# KiCad board pcb.kicad_pcb (continued)
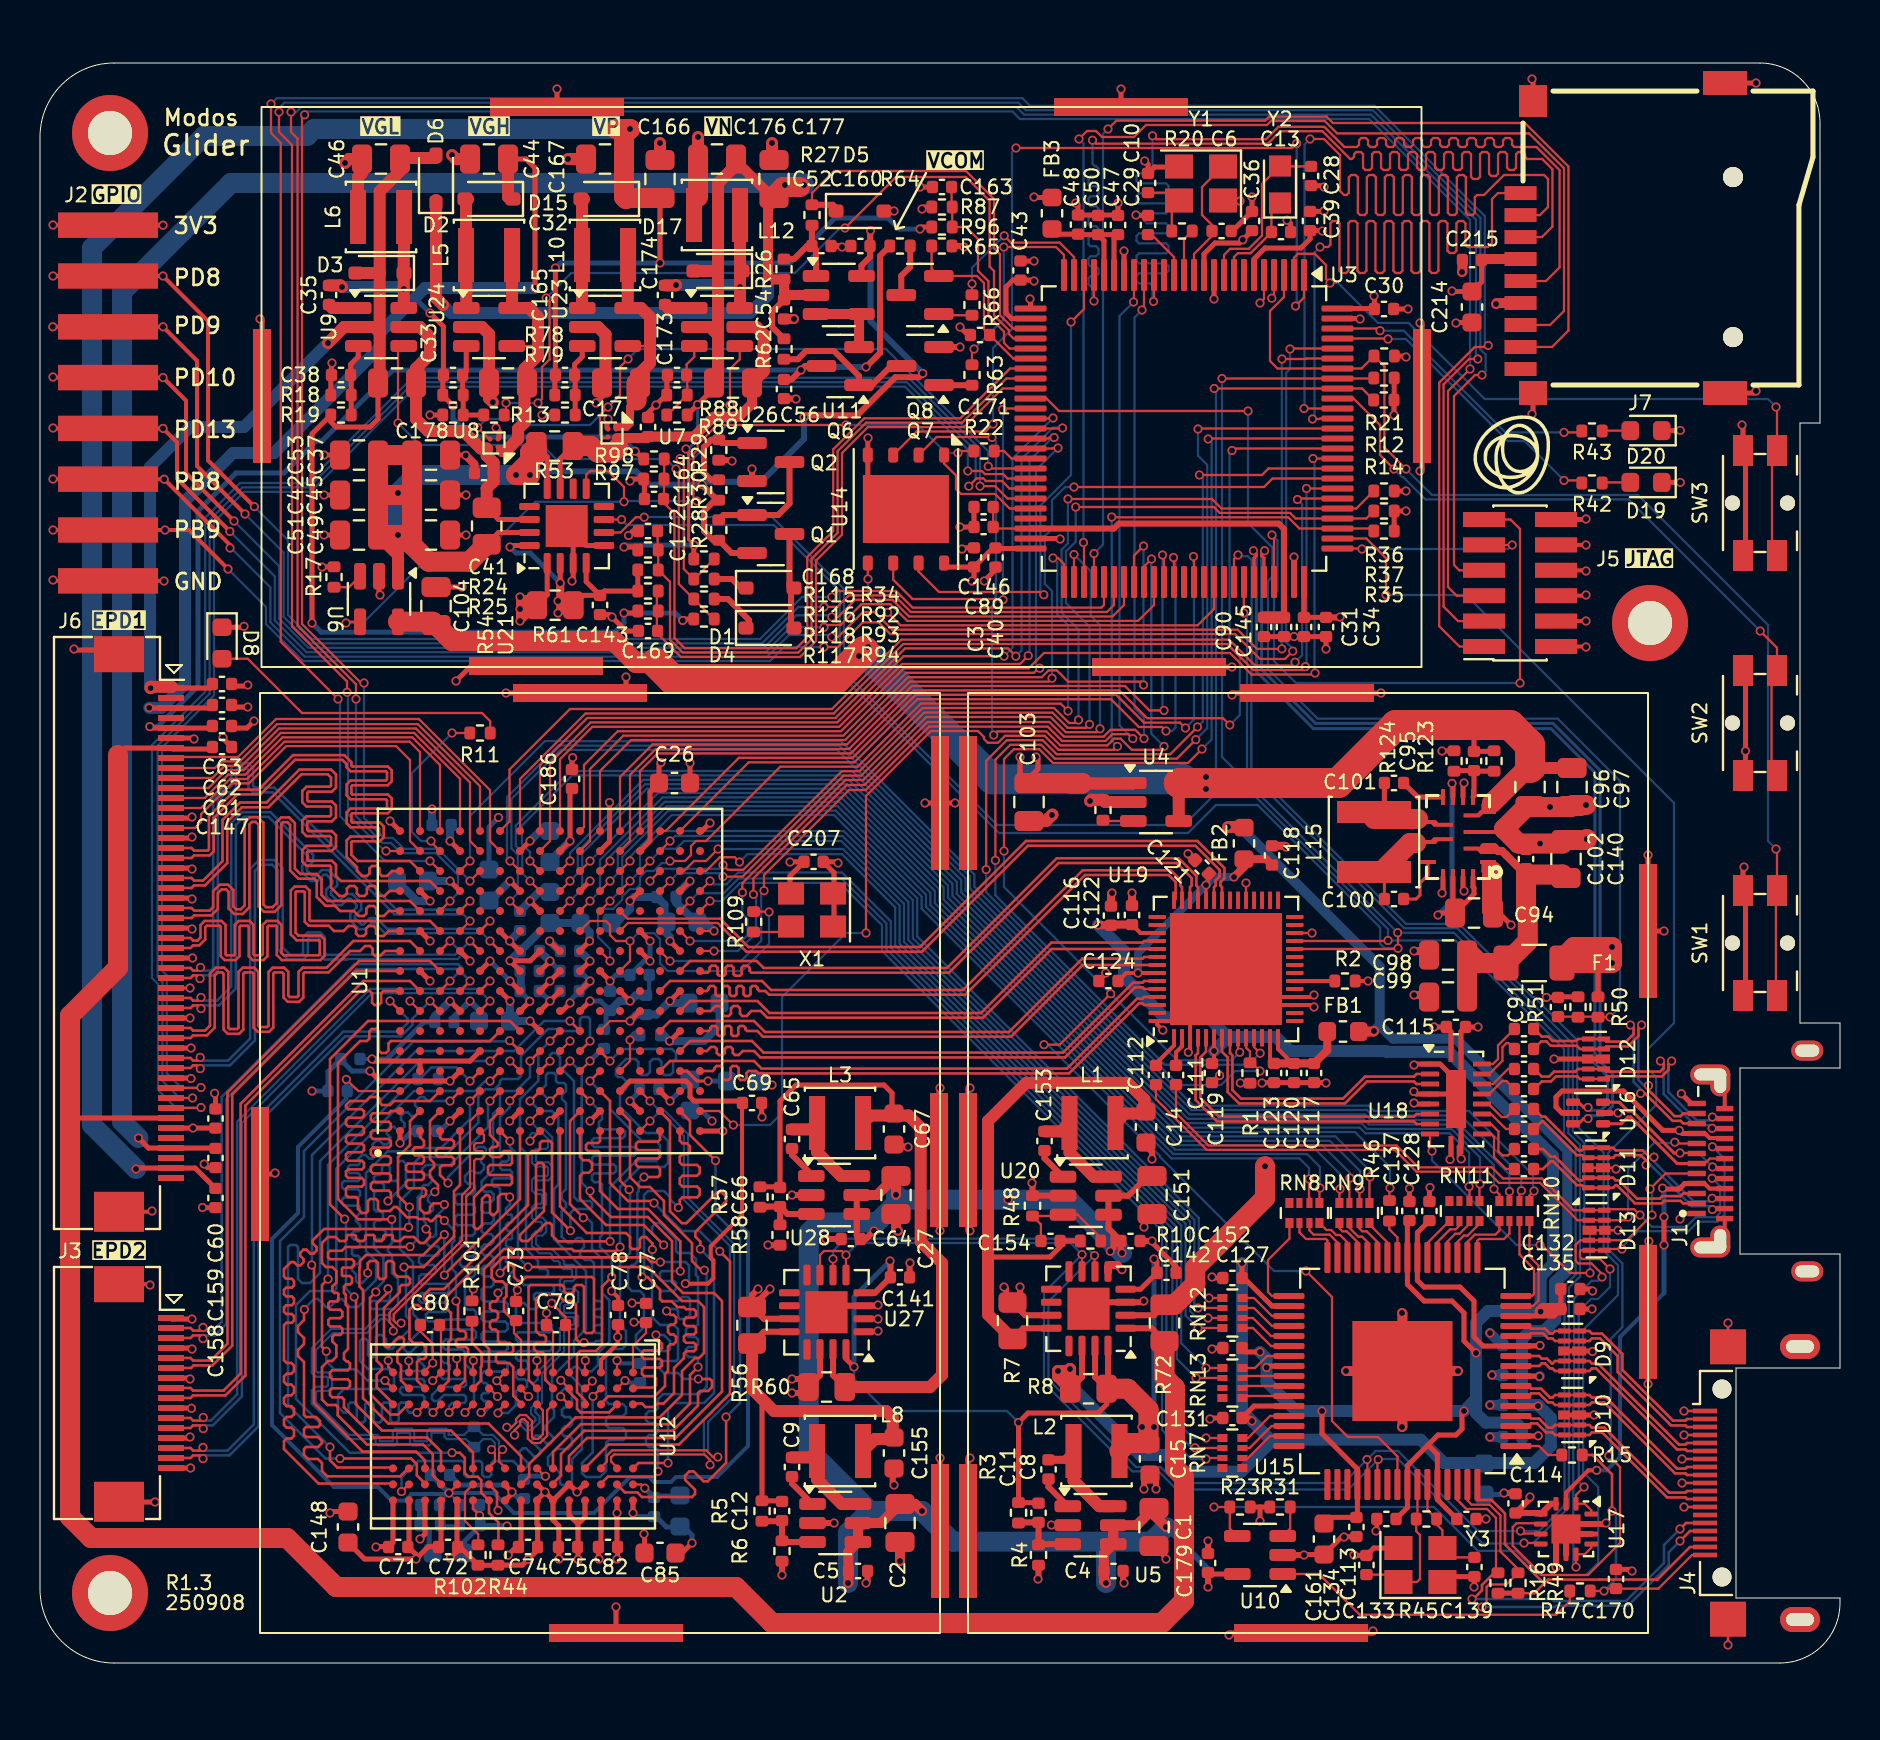
[diagram p0: board, top side]
## Routing (per net, layer and track width the routed paths; a pad name or vN(x,y) marks a point on that pad's centre or on a via; arc(x,y) is an arc through that point) (continued)
/fpga_ddr/DRAM_LDQSP: length 31.5
  Top w0.11: U1.H2 v1(24.5,27.1) ; 25.65,12.97 25.65,12.92 25.36,12.63 25.36,11.35 25,11 24.61,11 24.39,11.22 24.39,12.01 24.21,12.19 24.09,12.19 24.01,12.11 24.01,11.92 23.73,11.64 v1(23.73,11.4)
  Bottom w0.11: v1(24.5,27.1) 24.89,26.7 25.19,26.7 25.61,26.29 25.61,25.71 25.39,25.49 24.89,25.49 24.81,25.4 24.81,25.1 24.87,25.03 25.42,25.03 25.61,24.84 25.61,24.32 25.42,24.13 24.87,24.13 24.81,24.06 24.81,23.72 24.87,23.65 25.12,23.65 25.31,23.46 25.31,22.94 25.12,22.75 24.87,22.75 24.81,22.68 24.81,22.34 24.87,22.27 25.12,22.27 25.31,22.08 25.31,21.56 25.12,21.37 24.87,21.37 24.81,21.3 24.81,20.94 25.05,20.7 25.6,20.7 26.2,20.09 26.2,19.95 26.25,19.91 26.64,19.91 26.81,19.74 26.81,19.26 26.64,19.1 26.25,19.1 26.2,19.05 26.2,18.75 26.25,18.71 26.74,18.71 26.91,18.54 26.91,18.06 26.74,17.9 26.25,17.9 26.2,17.85 26.2,17.55 26.25,17.51 26.74,17.51 26.91,17.34 26.91,16.86 26.74,16.7 26.25,16.7 26.2,16.65 26.2,15.58 25.1,14.48 25.1,13.01 24.76,12.67 24.76,12.55 24.98,12.33 24.98,12.03 24.58,11.64 24.29,11.64 24.07,11.85 23.95,11.85 23.73,11.64 v1(23.73,11.4)
/fpga_ddr/DRAM_ODT: length 35.4
  Top w0.127: U1.L5 v1(28.5,30.1) ; v1(29,20.8) 28.8,20.6 26.7,20.6 26.6,20.7 23.2,20.7 22.2,19.7 22.2,15.95 22.45,15.7 22.45,14.57
  Bottom w0.127: v1(29,20.8) 29,20.8 29,23.8 30,24.8 31.2,24.8 31.4,25 31.4,26.1 31,26.5 30.3,26.5 29,27.8 29,28.4 29.3,28.7 29.3,29.1 29.1,29.3 28.9,29.3 28.8,29.4 28.8,29.7 29.3,30.2 29.77,30.2 29.92,30.05 29.92,29.54 30.06,29.4 30.35,29.4 30.5,29.54 30.5,30.05 30.64,30.2 30.93,30.2 31.08,30.05 31.08,29.54 31.22,29.4 31.51,29.4 31.66,29.54 31.66,30.05 31.8,30.2 31.8,30.5 31.6,30.7 29.1,30.7 v1(28.5,30.1)
/fpga_ddr/DRAM_RASB: length 35.3
  Top w0.127: v1(22.9,12.5) 22.9,12.57 23.25,12.92 23.25,12.97 ; v1(25.5,31.1) U1.J6
  Bottom w0.127: v1(25.5,31.1) 24.92,30.51 24.92,29.11 24,28.19 24,25.8 24.3,25.5 24.3,20.7 24.9,20.1 24.9,19.8 25,19.7 25.3,19.7 25.4,19.6 25.4,19.4 25.3,19.3 24.2,19.3 24.1,19.2 24.1,19 24.2,18.9 25.6,18.9 25.7,18.8 25.7,18.6 25.6,18.5 24.8,18.5 24.7,18.4 24.7,18.2 24.9,18 24.9,17.8 24.8,17.7 24.5,17.7 24.2,18 24,18 23.8,17.8 23.8,17.12 23.92,17 25.48,17 25.6,16.89 25.6,16.65 25.48,16.53 23.92,16.53 23.8,16.42 23.8,16.18 23.92,16.06 25.48,16.06 25.6,15.95 25.6,15.71 25.48,15.59 23.92,15.59 23.8,15.48 23.8,15.24 23.92,15.12 24.28,15.12 24.4,15.01 24.4,14.77 24.28,14.65 23.92,14.65 23.8,14.54 23.8,14.3 23.92,14.18 24.23,14.18 24.35,14.07 24.35,13.83 24.23,13.71 23.92,13.71 23.8,13.6 23.8,12.9 23.4,12.5 v1(22.9,12.5)
/fpga_ddr/DRAM_RST: length 24
  Top w0.127: v1(14.4,19.2) 14.1,18.9 14.1,15.8 v1(14.31,15.59) ; 17.65,13.72 v1(17.25,14.12) ; U1.E4 v1(21.5,29.1)
  Bottom w0.127: v1(21.5,29.1) 20.82,29.78 19.57,29.78 18.96,29.17 18.67,29.17 14.4,24.9 v1(14.4,19.2) ; v1(17.25,14.12) 16.38,14.12 15.82,14.68 14.72,14.68 14.31,15.09 v1(14.31,15.59)
/fpga_ddr/DRAM_UDM: length 27.1
  Top w0.127: v1(28.58,19.3) 28.1,18.81 28.1,15.9 27.8,15.6 27,15.6 26.85,15.45 26.85,13.54 27.25,13.14 27.25,12.97 ; U1.K3 v1(27.5,28.1)
  Bottom w0.127: v1(28.58,19.3) 28.58,20.21 28,20.8 28,21.3 28.1,21.4 28.1,23.93 27.99,24.04 27.71,24.04 27.6,24.15 27.6,24.37 27.71,24.48 28.69,24.48 28.8,24.59 28.8,24.81 28.69,24.92 27.71,24.92 27.6,25.03 27.6,25.25 27.71,25.36 29.69,25.36 29.8,25.47 29.8,25.69 29.69,25.8 27.71,25.8 27.6,25.91 27.6,26.13 27.71,26.24 29.14,26.24 29.25,26.35 29.25,26.57 29.14,26.68 28.03,26.68 27.95,26.76 27.95,27.05 28.1,27.2 28.1,27.5 v1(27.5,28.1)
/fpga_ddr/DRAM_UDQSN: length 27.1
  Top w0.11: U1.N1 v1(30.5,27.1) ; 28.85,9.77 28.56,10.07 28.56,10.28 28.7,10.42 33.23,10.42 33.5,10.15 v1(33.5,9.91)
  Bottom w0.11: v1(30.5,27.1) 30.89,27.49 31.06,27.49 32.19,26.36 32.19,23.16 34.5,20.86 34.5,13.44 33.19,12.14 33.19,10.46 33.5,10.15 v1(33.5,9.91)
/fpga_ddr/DRAM_UDQSP: length 27.8
  Top w0.11: v1(33.89,10.3) 33.65,10.3 33.31,10.63 28.61,10.63 28.34,10.37 28.34,10.07 28.05,9.77 ; U1.N3 v1(30.5,28.1)
  Bottom w0.11: v1(30.5,28.1) 30.89,27.7 31.14,27.7 32.41,26.44 32.41,23.24 34.7,20.94 34.7,13.36 33.41,12.06 33.41,10.54 33.65,10.3 v1(33.89,10.3)
/fpga_ddr/DRAM_WEB: length 35.9
  Top w0.127: U1.C1 20,26.28 20.11,26.17 20.59,26.17 20.7,26.06 20.7,25.85 20.59,25.74 19.9,25.74 19.8,25.64 19.8,25.41 19.9,25.31 20.59,25.31 20.7,25.2 20.7,24.99 20.59,24.88 20.11,24.88 20,24.77 20,24.4 v1(20.4,24) ; v1(21.25,12.52) 21.65,12.92 21.65,12.97
  Bottom w0.127: 21.25,12.55 v1(21.25,12.52) 21.7,12.97 21.7,14.5 21.25,14.95 21.25,15.55 21.12,15.67 20.27,15.67 20.15,15.8 20.15,16.05 20.27,16.17 21.67,16.17 21.8,16.3 21.8,16.55 21.67,16.67 20.27,16.67 20.15,16.8 20.15,17.05 20.27,17.17 21.67,17.17 21.8,17.3 21.8,17.55 21.67,17.67 21.37,17.67 21.25,17.8 21.25,19.16 21.38,19.29 21.62,19.29 21.75,19.42 21.75,19.68 21.62,19.81 21.12,19.81 21,19.93 21,20.2 21.12,20.33 21.62,20.33 21.75,20.46 21.75,20.72 21.62,20.85 21.12,20.85 21,20.97 21,21.24 21.12,21.37 21.62,21.37 21.75,21.5 21.75,21.76 21.62,21.89 20.88,21.89 20.75,22.02 20.75,22.28 20.88,22.41 21.62,22.41 21.75,22.54 21.75,22.8 21.62,22.93 20.88,22.93 20.75,23.06 20.75,23.32 20.88,23.45 21.62,23.45 21.75,23.58 21.75,23.84 21.62,23.97 21.38,23.97 21.25,24.1 21.25,24.35 21.5,24.6 21.7,24.6 21.8,24.5 22,24.5 22.2,24.7 22.2,24.9 22.05,25.05 22.05,25.2 22.3,25.45 22.3,25.7 22.2,25.8 21.9,25.8 20.4,24.3 v1(20.4,24)
/fpga_io/LED: length 8.5
  Top w0.11: U1.C15 19.55,41.05 v1(19.55,41.1) ; R11.1 v1(20.6,46.5)
  Bottom w0.11: v1(19.55,41.1) 19.05,41.1 18.6,41.55 18.6,44.5 v1(20.6,46.5)
/mcu/G_LED: length 15.2
  Top w0.11: v1(76.2,59.13) 76.96,59.13 R42.1 ; U3.97 67.38,66.22 v1(67.4,66.2)
  Bottom w0.11: v1(76.2,59.13) 74.23,61.1 73.39,61.1 68.29,66.2 v1(67.4,66.2)
/mcu/OSC32_IN: length 4.9
  Top w0.11: Y2.1 61.57,72.57 C13.1 61.57,71.53 60.53,70.49 59.89,70.49 59.7,70.3 U3.8
/mcu/OSC32_OUT: length 8.7
  Top w0.11: U3.9 59.2,70.4 59.51,70.71 60.44,70.71 61.1,71.37 61.1,73.95 Y2.2 62.02,74.83 C28.1
/mcu/OSC_IN: length 6.4
  Top w0.11: 59.1,74.8 58.1,73.8 58.1,72.4 58.6,71.9 C6.1 58.6,71.35 57.7,70.45 U3.12
/mcu/OSC_OUT: length 2.4
  Top w0.11: R20.1 57.2,71.19 U3.13
/mcu/R_LED: length 14.4
  Top w0.11: U3.98 66.89,66.72 v1(67,66.62) ; R43.1 77.02,61.53 v1(76.2,61.53)
  Bottom w0.11: v1(76.2,61.53) 73.27,61.53 68.19,66.62 v1(67,66.62)
/power/EVDD: length 12.5
  Top w0.25: 70.72,37.5 70,37.5 v1(69.9,37.4) ; 70.72,37.5 C94.2 71.7,38.45 71.7,38.75 71.65,38.8 U13.15 ; 70.72,37.5 70.65,37.58 U13.13 ; v1(70.6,43.98) 70.65,43.94 U13.7
  Bottom w0.25: v1(69.9,37.4) 70.6,38.1 v1(70.6,43.98)
/tmds_in/ADV_CK: length 2
  Top w0.11: R46.2 67.47,21.68 67.87,21.28 67.87,20.28
/tmds_in/ADV_DE: length 2.8
  Top w0.11: 62.44,12.35 61.5,12.35 60.4,11.25 RN7.4
/tmds_in/ADV_HS: length 2.8
  Top w0.11: 62.44,11.85 61.58,11.85 60.48,10.75 RN7.3
/tmds_in/ADV_P0: length 2.4
  Top w0.11: RN13.1 60.22,13.35 62.44,13.35
/tmds_in/ADV_P1: length 2.4
  Top w0.11: 62.44,13.85 60.22,13.85 RN13.2
/tmds_in/ADV_P2: length 2.4
  Top w0.11: RN13.3 60.22,14.35 62.44,14.35
/tmds_in/ADV_P3: length 2.6
  Top w0.11: 62.44,15.35 61.35,15.35 60.75,14.75 RN13.4
/tmds_in/ADV_P4: length 2.7
  Top w0.11: RN12.1 60.65,16.75 61.55,15.85 62.44,15.85
/tmds_in/ADV_P5: length 2.7
  Top w0.11: 62.44,16.35 61.55,16.35 60.65,17.25 RN12.2
/tmds_in/ADV_P6: length 2.7
  Top w0.11: RN12.3 60.7,17.75 61.6,16.85 62.44,16.85
/tmds_in/ADV_P7: length 2.7
  Top w0.11: RN12.4 60.7,18.25 61.6,17.35 62.44,17.35
/tmds_in/ADV_P8: length 5
  Top w0.11: 62.44,18.35 61.6,18.35 61.4,18.55 61.4,20.15 62.47,21.22 RN8.1
/tmds_in/ADV_P9: length 2.9
  Top w0.11: 64.37,20.28 64.37,21.13 64.3,21.2 63.3,21.2 62.97,21.53 RN8.2
/tmds_in/ADV_P10: length 2.8
  Top w0.11: 64.87,20.28 64.87,21.03 64.48,21.42 63.68,21.42 63.47,21.63 RN8.3
/tmds_in/ADV_P11: length 2.6
  Top w0.11: RN8.4 64.32,21.65 64.56,21.65 64.81,21.4 65,21.4 65.37,21.03 65.37,20.28
/tmds_in/ADV_P12: length 2.2
  Top w0.11: RN9.1 64.97,21.74 65.13,21.58 65.33,21.58 65.87,21.05 65.87,20.28
/tmds_in/ADV_P13: length 2.2
  Top w0.11: RN9.2 65.47,21.76 65.92,21.32 66.1,21.32 66.37,21.05 66.37,20.28
/tmds_in/ADV_P14: length 2.2
  Top w0.11: RN9.3 65.97,21.73 66.12,21.58 66.33,21.58 66.87,21.05 66.87,20.28
/tmds_in/ADV_P15: length 2.1
  Top w0.11: 67.37,20.28 67.37,21.03 66.47,21.93 RN9.4
/tmds_in/ADV_P16: length 2.3
  Top w0.11: 69.37,20.28 69.37,21 RN11.1
/tmds_in/ADV_P17: length 2.4
  Top w0.11: RN11.2 70.97,21.87 70.78,21.69 70.51,21.69 69.87,21.05 69.87,20.28
/tmds_in/ADV_P18: length 2.4
  Top w0.11: RN11.3 71.47,21.96 70.97,21.47 70.76,21.47 70.37,21.07 70.37,20.28
/tmds_in/ADV_P19: length 2.4
  Top w0.11: 70.87,20.28 70.87,21.05 71.19,21.37 71.38,21.37 71.97,21.96 RN11.4
/tmds_in/ADV_P20: length 3.1
  Top w0.11: 71.37,20.28 71.37,21.05 71.74,21.42 72.77,21.42 72.97,21.62 RN10.1
/tmds_in/ADV_P21: length 3.2
  Top w0.11: RN10.2 73.47,21.47 73.2,21.2 71.95,21.2 71.87,21.12 71.87,20.28
/tmds_in/ADV_P22: length 4.9
  Top w0.11: U15.16 74.6,18.35 74.7,18.45 74.7,19.7 73.97,20.43 RN10.3
/tmds_in/ADV_P23: length 5.4
  Top w0.11: RN10.4 74.47,20.33 74.92,19.88 74.92,18.12 74.65,17.85 U15.15
/tmds_in/ADV_VS: length 2.8
  Top w0.11: RN7.2 60.4,10.25 61.5,11.35 62.44,11.35
/tmds_in/HDMI_HPD: length 14.5
  Top w0.11: R47.2 v1(78.2,3.6) 78.32,3.72 80.92,3.72 82.6,5.4 J4.19
  Top w0.127: R15.2 77.63,10.4 78.6,9.43 v1(78.6,7.6)
  Bottom w0.127: v1(78.2,3.6) 78.8,4.2 78.8,7.4 v1(78.6,7.6)
/tmds_in/HDMI_SCL: length 21.7
  Top w0.11: U15.62 70.87,8.15 71.32,7.7 72.35,7.7 72.8,7.25 72.8,4.61 R16.1
  Top w0.127: J4.15 82.3,7 v1(82,6.7) ; R16.1 72.71,4.51 72.1,3.9 72.1,3.63 71.66,3.2 v1(71.6,3.2)
  Bottom w0.127: v1(71.6,3.2) 75.6,3.2 75.7,3.1 79.3,3.1 81.2,5 81.2,5.9 v1(82,6.7)
/tmds_in/HDMI_SDA: length 22
  Top w0.11: v1(72.1,2.8) 72.33,3.03 72.33,3.8 72.45,3.92 73.31,3.92 R49.1 73.9,4.7 73.02,5.58 73.02,7.38 72.48,7.92 71.58,7.92 71.37,8.13 U15.63
  Top w0.127: J4.16 82.5,6.6 v1(82,6.1)
  Bottom w0.127: v1(72.1,2.8) 72.1,2.8 75.74,2.8 75.8,2.86 79.4,2.86 81.44,4.9 81.44,5.54 v1(82,6.1)
/tmds_in/TMDS_CKN: length 11.2
  Top w0.127: U15.3 74.42,11.85 74.55,11.98 74.85,11.98 75.3,11.53 75.62,11.53 75.75,11.4 D10.10 77.46,11.4 77.6,11.53 78.1,11.53 81.35,8.28 82.27,8.28 82.35,8.2 J4.12
/tmds_in/TMDS_CKP: length 11.2
  Top w0.127: U15.4 74.42,12.35 74.55,12.22 74.95,12.22 75.4,11.77 75.62,11.77 75.75,11.9 D10.9 77.46,11.9 77.6,11.77 78.2,11.77 81.45,8.52 82.27,8.52 82.35,8.6 J4.11
/tmds_in/TMDS_D0N: length 11.3
  Top w0.127: J4.9 82.35,9.4 82.27,9.48 81.75,9.48 78.2,13.03 77.6,13.03 77.46,12.9 D10.7 75.75,12.9 75.62,13.03 75.4,13.03 74.95,13.48 74.55,13.48 74.42,13.35 U15.6
/tmds_in/TMDS_D0P: length 11.3
  Top w0.127: U15.7 74.42,13.85 74.55,13.72 75.05,13.72 75.5,13.27 75.62,13.27 75.75,13.4 D10.6 77.46,13.4 77.6,13.27 78.3,13.27 81.85,9.72 82.27,9.72 82.35,9.8 J4.8
/tmds_in/TMDS_D1N: length 11.4
  Top w0.127: U15.9 74.96,14.85 75.09,14.98 75.25,14.98 75.5,14.73 75.62,14.73 75.75,14.6 D9.10 77.46,14.6 77.6,14.73 77.8,14.73 81.85,10.68 82.27,10.68 82.35,10.6 J4.6
/tmds_in/TMDS_D1P: length 11.4
  Top w0.127: U15.10 74.96,15.35 75.09,15.22 75.35,15.22 75.6,14.97 75.62,14.97 75.75,15.1 D9.9 77.46,15.1 77.6,14.97 77.9,14.97 81.95,10.92 82.27,10.92 82.35,11 J4.5
/tmds_in/TMDS_D2N: length 12
  Top w0.127: U15.12 74.42,16.35 74.55,16.48 75.15,16.48 75.4,16.23 75.62,16.23 75.75,16.1 D9.7 77.46,16.1 77.6,16.23 78,16.23 78.88,15.35 78.88,14.55 81.55,11.88 82.27,11.88 82.35,11.8 J4.3
/tmds_in/TMDS_D2P: length 12
  Top w0.127: J4.2 82.35,12.2 82.27,12.12 81.65,12.12 79.12,14.65 79.12,15.45 78.1,16.47 77.6,16.47 77.46,16.6 D9.6 75.75,16.6 75.62,16.47 75.5,16.47 75.25,16.72 74.55,16.72 74.42,16.85 U15.13
DEC_RST: length 91.3
  Top w0.11: v1(59.99,30.54) 59.9,30.62 U19.9 ; v1(63.3,19.6) 64.6,18.3 64.6,12.1 65.4,11.3 66.9,11.3 67.87,10.33 U15.56 ; v1(48.2,40.6) 48.2,45.2 48.69,45.69 49.96,45.69 50.65,45 57.4,45 v1(58.1,45.7) ; v1(58.41,61.2) 58.44,61.23 U3.87 ; v1(50.2,30.92) 50.99,30.92 v1(53.53,33.47)
  Bottom w0.11: v1(58.41,61.2) 58.58,61.03 58.58,46.18 v1(58.1,45.7) ; v1(59.99,30.54) 59.58,30.14 56.86,30.14 48.2,38.8 v1(48.2,40.6) ; v1(63.3,19.6) 61.7,19.6 55.99,25.31 55.99,25.36 55.76,25.59 55.71,25.59 50.38,30.92 v1(50.2,30.92)
DP_HPD: length 58.6
  Top w0.11: v1(57.9,61.7) 58,61.7 58.03,61.73 U3.88 ; v1(57.79,46.17) 56.84,45.22 50.74,45.22 50.05,45.91 48.51,45.91 47.77,45.17 v1(47.77,40.13) ; U19.11 60.7,30.8 v1(61.01,30.49)
  Bottom w0.11: v1(47.77,40.13) 47.77,38.39 56.24,29.92 60.43,29.92 v1(61.01,30.49) ; v1(57.9,61.7) 57.9,60.37 58.36,59.91 58.36,46.74 v1(57.79,46.17)
DP_PDN: length 58.3
  Top w0.11: U3.84 61.42,59.73 61.1,59.4 v1(57.97,59.4) ; v1(61,29.6) 60.59,30.01 R1.2 60.5,30.57 60.3,30.77 U19.10 ; v1(47.31,39.67) 47.31,45.11 48.34,46.14 50.13,46.14 50.83,45.44 56.51,45.44 v1(57.87,46.8)
  Bottom w0.11: v1(61,29.6) 59.76,29.6 59.06,28.9 56.94,28.9 47.31,38.54 v1(47.31,39.67) ; v1(57.87,46.8) 58.14,47.07 58.14,59.4 v1(57.97,59.4)
DPI_B2: length 42.5
  Top w0.11: RN13.6 v1(57.8,14.25) ; U1.T14 33.3,39.6 33.76,40.06 33.76,40.06 33.99,40.29 34.73,40.29 v1(34.97,40.05)
  Bottom w0.11: v1(57.8,14.25) 56.84,15.21 56.84,21.79 56.71,21.92 42.76,35.87 42.76,37.78 40.1,40.44 35.36,40.44 v1(34.97,40.05)
DPI_B3: length 42.9
  Top w0.11: RN13.5 v1(58.3,14.75) ; U1.R14 32.2,39.6 32.7,40.1 33.3,40.1 v1(33.9,40.7)
  Bottom w0.11: v1(33.9,40.7) 40.15,40.7 42.98,37.87 42.98,35.96 57.06,21.88 57.06,15.99 v1(58.3,14.75)
DPI_B4: length 43.6
  Top w0.11: U1.N14 v1(30.5,40.1) ; RN12.8 v1(57.9,16.75)
  Bottom w0.11: v1(30.5,40.1) 31.11,40.71 31.81,40.71 32.2,41.1 40.06,41.1 43.2,37.96 43.2,36.06 57.28,21.98 57.28,17.37 v1(57.9,16.75)
DPI_B5: length 42.1
  Top w0.11: RN12.7 v1(58.4,17.25) ; U1.P15 v1(31.5,41.1)
  Bottom w0.11: v1(58.4,17.25) 57.85,17.25 57.5,17.6 57.5,22.07 43.42,36.15 43.42,38.05 40.12,41.35 31.75,41.35 v1(31.5,41.1)
DPI_B6: length 45.4
  Top w0.11: U1.M13 v1(29.5,39.1) ; RN12.6 v1(57.9,17.75)
  Bottom w0.11: v1(29.5,39.1) 30,39.6 30,40.5 31.1,41.6 40.18,41.6 43.64,38.14 43.64,36.24 57.72,22.16 57.72,17.93 v1(57.9,17.75)
DPI_B7: length 44.6
  Top w0.11: U1.M14 v1(29.5,40.1) ; RN12.5 v1(58.45,18.25)
  Bottom w0.11: v1(29.5,40.1) 29.5,40.31 31.59,42.4 39.7,42.4 43.86,38.24 43.86,36.33 57.94,22.25 57.94,18.76 v1(58.45,18.25)
DPI_DE: length 44.6
  Top w0.11: U1.T13 v1(33.5,39.1) ; RN7.5 v1(58.3,11.25)
  Bottom w0.11: v1(58.3,11.25) 57.65,11.25 56.62,12.28 56.62,21.7 42.54,35.78 42.54,37.08 40.1,39.53 34.91,39.53 34.31,38.93 33.67,38.93 v1(33.5,39.1)
DPI_G2: length 48
  Top w0.11: U1.L12 v1(28.5,38.1) ; RN8.6 63.47,23.27 63.45,23.29 v1(63.45,24.2)
  Bottom w0.11: v1(28.5,38.1) 29.11,38.71 29.11,40.31 31.42,42.62 39.79,42.62 44.08,38.33 44.08,37.72 56.57,25.23 62.97,25.23 63.45,24.75 v1(63.45,24.2)
DPI_G3: length 47.9
  Top w0.11: U1.L13 v1(28.5,39.1) ; v1(64,23.75) 63.97,23.72 RN8.5
  Bottom w0.11: v1(28.5,39.1) 28.89,39.49 28.89,40.4 31.33,42.84 39.88,42.84 44.3,38.42 44.3,37.81 56.66,25.45 63.35,25.45 64,24.8 v1(64,23.75)
DPI_G4: length 48.1
  Top w0.11: RN9.8 64.97,23.67 v1(65,23.7) ; U1.L14 v1(28.5,40.1)
  Bottom w0.11: v1(28.5,40.1) 28.5,40.32 31.24,43.06 39.97,43.06 44.52,38.51 44.52,37.9 56.75,25.67 63.78,25.67 65,24.45 v1(65,23.7)
DPI_G5: length 51.4
  Top w0.11: v1(65.5,24.25) 65.47,24.22 RN9.7 ; U1.K12 v1(27.5,38.1)
  Bottom w0.11: v1(27.5,38.1) 28,38.6 28,40.15 31.13,43.28 40.06,43.28 44.74,38.6 44.74,37.99 56.84,25.89 64.11,25.89 65.5,24.5 v1(65.5,24.25)
DPI_G6: length 50.4
  Top w0.11: v1(66,23.7) 65.97,23.67 RN9.6 ; U1.K14 v1(27.5,40.1)
  Bottom w0.11: v1(27.5,40.1) 30.9,43.5 40.15,43.5 44.96,38.69 44.96,38.08 56.93,26.11 64.49,26.11 66,24.6 v1(66,23.7)
DPI_G7: length 54
  Top w0.11: U1.J12 v1(26.5,38.1) ; v1(66.5,24.3) 66.47,24.27 RN9.5
  Bottom w0.11: v1(26.5,38.1) 27.11,38.71 27.11,40.49 30.34,43.72 40.24,43.72 45.18,38.78 45.18,38.18 57.03,26.33 64.77,26.33 66.5,24.6 v1(66.5,24.3)
DPI_HS: length 46
  Top w0.11: U1.R12 v1(32.5,38.1) ; RN7.6 57.76,10.75 v1(57.75,10.76)
  Bottom w0.11: v1(57.75,10.76) 57.59,10.76 56.32,12.03 56.32,21.69 42.32,35.69 42.32,36.98 40.08,39.22 34.92,39.22 34.18,38.49 32.89,38.49 v1(32.5,38.1)
DPI_PCLK: length 54.4
  Top w0.11: U1.J13 v1(26.5,39.1) ; 67.45,23.14 R46.1 67.47,23.72 v1(67.5,23.75)
  Bottom w0.11: v1(26.5,39.1) 26.89,39.49 26.89,40.58 30.25,43.94 40.33,43.94 45.4,38.87 45.4,38.27 57.12,26.55 65.75,26.55 67.5,24.8 v1(67.5,23.75)
DPI_R2: length 58.1
  Top w0.11: RN11.6 71.47,23.81 v1(71.45,23.82) ; U1.J14 v1(26.5,40.1)
  Bottom w0.11: v1(26.5,40.1) 26.5,40.5 30.16,44.16 40.42,44.16 45.62,38.96 45.62,38.36 57.21,26.77 65.98,26.77 66.26,26.48 70.48,26.48 71.45,25.51 v1(71.45,23.82)
DPI_R3: length 62
  Top w0.11: RN11.5 71.97,23.92 v1(72,23.95) ; U1.H14 v1(24.5,40.1)
  Bottom w0.11: v1(72,23.95) 72,25.28 70.57,26.7 66.36,26.7 66.07,26.99 57.3,26.99 45.84,38.45 45.84,39.06 40.52,44.38 26.61,44.38 24.1,41.87 24.1,40.95 24.5,40.55 v1(24.5,40.1)
DPI_R4: length 64.2
  Top w0.11: RN10.8 72.97,23.43 v1(72.7,23.7) ; U1.H13 v1(24.5,39.1)
  Bottom w0.11: v1(72.7,23.7) 72.7,24.89 70.66,26.92 66.45,26.92 66.16,27.21 57.39,27.21 46.06,38.54 46.06,39.15 40.61,44.6 26.51,44.6 23.79,41.88 23.79,40.86 24.11,40.54 24.11,39.49 v1(24.5,39.1)
DPI_R5: length 67.5
  Top w0.11: U1.G12 v1(23.5,38.1) ; v1(73.47,23.57) RN10.7
  Bottom w0.11: v1(73.47,23.57) 73.47,24.43 70.75,27.15 66.53,27.15 66.25,27.43 57.48,27.43 46.28,38.63 46.28,39.24 39.87,45.65 26.8,45.65 26.79,45.66 26.03,45.66 23.57,43.2 23.57,40.73 23.89,40.41 23.89,38.49 v1(23.5,38.1)
DPI_R6: length 66.3
  Top w0.11: RN10.6 73.97,23.52 v1(74.07,23.61) ; U1.G14 v1(23.5,40.1)
  Bottom w0.11: v1(74.07,23.61) 74.07,24.35 71.04,27.38 66.62,27.38 66.34,27.65 57.57,27.65 46.5,38.72 46.5,39.33 39.96,45.87 26.89,45.87 26.88,45.88 25.94,45.88 23.35,43.29 23.35,40.25 v1(23.5,40.1)
DPI_R7: length 68.4
  Top w0.11: v1(21.5,40.1) U1.D14 ; v1(74.7,23.6) 74.47,23.37 RN10.5
  Bottom w0.11: v1(74.7,23.6) 74.65,23.65 74.65,24.4 71.45,27.6 66.71,27.6 66.44,27.87 57.66,27.87 46.72,38.81 46.72,39.42 40.05,46.09 26.98,46.09 26.98,46.1 25.25,46.1 21.5,42.35 v1(21.5,40.1)
DPI_VS: length 45.2
  Top w0.11: RN7.7 58.35,10.25 v1(58.3,10.2) ; U1.T12 v1(33.5,38.1)
  Bottom w0.11: v1(58.3,10.2) 57.55,10.2 56.1,11.65 56.1,21.6 42.1,35.6 42.1,36.89 39.98,39 35.01,39 34.1,38.1 v1(33.5,38.1)
EPD_POS_EN: length 36
  Top w0.11: v1(29.4,65.2) 29,64.8 29,63.4 v1(28.4,62.8) 28,62.4 28,61.4 28.15,61.25 28.35,61.25 ; 22.45,61.25 22.41,61.25 v1(21.89,61.77) ; U3.42 47.52,59.73 v1(47.41,59.84)
  Bottom w0.11: v1(21.89,61.77) 22.31,62.2 23.8,62.2 24.1,61.9 27.5,61.9 v1(28.4,62.8) ; v1(47.41,59.84) 47.41,60.59 42.3,65.7 29.9,65.7 v1(29.4,65.2)
EPD_PWR_EN: length 42.4
  Top w0.11: v1(40.3,61.9) 33.85,61.9 32.89,60.93 32.89,60.67 32.67,60.45 32.67,58.17 32.77,58.17 v1(32.84,58.1) ; R22.1 46,60.6 v1(45.9,60.5) ; v1(15.3,52) 15.36,52.06 U6.4 ; v1(29.2,58.06) 29.2,58.8 28.4,59.6 27.5,59.6 27.31,59.41 U21.9
  Bottom w0.11: v1(15.3,52) 16.15,52 19.41,55.26 21.96,55.26 24.76,58.06 v1(29.2,58.06) 29.24,58.1 v1(32.84,58.1) ; v1(40.3,61.9) 43.9,61.9 45.3,60.5 v1(45.9,60.5)
EPD_THROT: length 50.3
  Top w0.11: U3.83 61.62,59.23 61.2,58.8 v1(51.7,58.8) ; v1(50.6,49.24) 50.43,49.07 43.49,49.07 40.35,45.93 30.63,45.93 29,44.3 U1.M16
  Bottom w0.11: v1(51.7,58.8) 51.26,58.8 50.6,58.14 50.6,56.7 50.24,56.34 50.24,53.96 50.6,53.6 v1(50.6,49.24)
EPDC_CLKN: length 30.5
  Top w0.127: U1.D8 v1(21.5,34.1) ; J3.2 7.53,16.75 7.66,16.62 7.99,16.62 v1(8.15,16.78)
  Bottom w0.127: v1(21.5,34.1) 21.12,34.48 21.12,34.72 20.9,34.94 15.72,34.94 9.08,28.3 9.08,17.05 8.65,16.62 8.31,16.62 v1(8.15,16.78)
EPDC_CLKP: length 30.1
  Top w0.127: J3.3 7.53,16.25 7.66,16.38 7.99,16.38 v1(8.15,16.22) ; U1.C8 v1(20.5,34.1)
  Bottom w0.127: v1(20.5,34.1) 20.88,34.48 20.88,34.62 20.8,34.7 18.7,34.7 18.7,34.7 15.82,34.7 9.32,28.2 9.32,16.95 8.75,16.38 8.31,16.38 v1(8.15,16.22)
EPDC_D0N: length 31.3
  Top w0.127: J6.38 7.53,30.25 7.66,30.12 7.85,30.12 v1(8.01,30.28) ; U1.C10 v1(20.5,36.1)
  Bottom w0.11: 15.26,35.42 20.77,35.42 20.88,35.54
  Bottom w0.127: v1(20.5,36.1) 20.88,35.72 20.88,35.54 ; 15.26,35.42 15.25,35.41 14.34,35.41 14.24,35.5 14.24,36.3 14.01,36.53 13.39,36.53 13.15,36.3 13.15,35.5 13.06,35.41 12.5,35.41 12.14,35.77 12.14,39.74 11.72,40.15 10.95,40.15 10.51,39.71 10.51,31.22 9.4,30.12 8.17,30.12 v1(8.01,30.28)
EPDC_D0P: length 31.7
  Top w0.127: J6.39 7.53,29.75 7.66,29.88 7.85,29.88 v1(8.01,29.72) ; U1.E10 v1(21.5,36.1)
  Bottom w0.11: 15.37,35.19 15.38,35.2 20.88,35.2 21.12,35.44
  Bottom w0.127: v1(21.5,36.1) 21.12,35.72 21.12,35.44 ; 15.37,35.19 15.35,35.17 14.24,35.17 14,35.41 14,36.2 13.91,36.29 13.49,36.29 13.39,36.2 13.39,35.41 13.16,35.17 12.4,35.17 11.9,35.67 11.9,39.62 11.61,39.91 11.05,39.91 10.74,39.61 10.74,31.13 9.5,29.88 8.17,29.88 v1(8.01,29.72)
EPDC_D1N: length 30.1
  Top w0.127: U1.B10 18.5,36.1 15.66,36.1 14.33,34.77 13.13,34.77 12.93,34.56 12.93,33.37 12.86,33.3 12.48,33.3 12.41,33.37 12.41,34.56 12.21,34.77 11.63,34.77 11.43,34.56 11.43,31.87 11.36,31.8 10.98,31.8 10.91,31.87 10.91,34.56 10.71,34.77 10.13,34.77 9.93,34.56 9.93,31.77 9.86,31.7 9.48,31.7 9.41,31.77 9.41,34.56 9.21,34.77 8.79,34.77 8.5,34.47 8.5,31.87 8.25,31.62 7.66,31.62 7.53,31.75 J6.35
EPDC_D1P: length 29.4
  Top w0.127: J6.36 7.53,31.25 7.66,31.38 8.35,31.38 8.74,31.77 8.74,34.38 8.89,34.53 9.11,34.53 9.18,34.46 9.18,31.67 9.38,31.46 9.96,31.46 10.16,31.67 10.16,34.46 10.23,34.53 10.61,34.53 10.68,34.46 10.68,31.77 10.88,31.56 11.46,31.56 11.66,31.77 11.66,34.46 11.73,34.53 12.11,34.53 12.18,34.46 12.18,33.27 12.38,33.06 12.96,33.06 13.16,33.27 13.16,34.46 13.23,34.53 14.43,34.53 15.5,35.6 16,35.6 16.25,35.85 16.5,35.85 16.63,35.72 16.63,35.47 16.75,35.35 17,35.35 17.25,35.6 U1.A10
EPDC_D2N: length 31.6
  Top w0.127: J6.32 7.53,33.25 7.66,33.12 7.89,33.12 v1(8.05,33.28) ; v1(22.5,37.1) U1.E11
  Bottom w0.11: v1(22.5,37.1) 22.11,36.71 18.96,36.71
  Bottom w0.127: 18.96,36.71 17.36,36.71 16.82,37.24 16.49,37.24 16.18,36.93 16.05,36.93 15.75,37.23 15.75,37.36 16.06,37.68 16.06,38.01 15.62,38.45 15.29,38.45 14.98,38.13 14.85,38.13 14.55,38.43 14.55,38.57 14.86,38.88 14.86,39.21 14.42,39.65 14.09,39.65 13.78,39.34 13.65,39.34 13.34,39.64 13.34,39.77 13.66,40.08 13.66,40.41 11.52,42.54 10.1,42.54 9.56,42 9.56,33.82 8.85,33.12 8.21,33.12 v1(8.05,33.28)
EPDC_D2P: length 31.6
  Top w0.127: v1(8.05,32.72) 7.89,32.88 7.66,32.88 7.53,32.75 J6.33 ; U1.F10 v1(22.5,36.1)
  Bottom w0.11: 19.05,36.49 22.11,36.49 v1(22.5,36.1)
  Bottom w0.127: v1(8.05,32.72) 8.21,32.88 8.95,32.88 9.79,33.73 9.79,41.9 10.2,42.31 11.43,42.31 13.42,40.31 13.42,40.18 13.11,39.87 13.11,39.54 13.55,39.1 13.88,39.1 14.19,39.41 14.32,39.41 14.62,39.11 14.62,38.98 14.31,38.67 14.31,38.34 14.75,37.9 15.08,37.9 15.39,38.21 15.52,38.21 15.82,37.91 15.82,37.78 15.51,37.46 15.51,37.13 15.95,36.69 16.28,36.69 16.59,37.01 16.73,37.01 17.26,36.47 18.63,36.47 18.63,36.47 19.05,36.47
EPDC_D3N: length 29.4
  Top w0.11: 6.65,34.7 6.6,34.75 ; v1(21.5,38.1) U1.D12
  Top w0.127: v1(8.03,34.78) 7.86,34.62 7.66,34.62 7.53,34.75 J6.29
  Bottom w0.11: 20.9,37.67 21.07,37.67 v1(21.5,38.1)
  Bottom w0.127: 20.9,37.67 17.82,37.67 11.72,43.77 10.75,43.77 10.65,43.86 10.65,44.75 10.42,44.99 9.8,44.99 9.57,44.75 9.57,43.86 9.47,43.77 9.23,43.77 8.66,43.2 8.66,34.72 8.55,34.62 8.19,34.62 v1(8.03,34.78)
EPDC_D3P: length 29.3
  Top w0.11: v1(21.5,37.1) U1.D11
  Top w0.127: v1(8,34.22) 7.84,34.38 7.66,34.38 7.53,34.25 J6.30
  Bottom w0.11: v1(21.5,37.1) 21.17,37.43 20.9,37.43
  Bottom w0.127: 20.9,37.43 17.73,37.43 11.63,43.53 10.65,43.53 10.42,43.76 10.42,44.66 10.32,44.75 9.9,44.75 9.8,44.66 9.8,43.76 9.57,43.53 9.32,43.53 8.89,43.1 8.89,34.63 8.65,34.38 8.16,34.38 v1(8,34.22)
EPDC_D4N: length 29.9
  Top w0.127: J6.26 7.53,36.25 7.66,36.12 7.87,36.12 8.03,36.28 8.03,36.9 8.23,37.1 9.08,37.1 9.28,36.91 9.28,35.44 9.33,35.38 9.68,35.38 9.74,35.44 9.74,36.91 9.93,37.1 10.48,37.1 10.67,36.91 10.67,35.44 10.73,35.38 11.08,35.38 11.14,35.44 11.14,36.91 11.33,37.1 11.88,37.1 12.08,36.91 12.08,35.5 12.19,35.38 13.92,35.38 13.99,35.45 13.99,36.08 13.93,36.14 12.83,36.14 12.54,36.43 12.54,38.62 12.73,38.82 13.28,38.82 13.47,38.62 13.47,37.16 13.53,37.1 19.5,37.1 U1.C11
EPDC_D4P: length 29
  Top w0.127: J6.27 7.53,35.75 7.66,35.88 7.97,35.88 8.26,36.18 8.26,36.79 8.34,36.86 8.98,36.86 9.04,36.81 9.04,35.34 9.23,35.15 9.78,35.15 9.97,35.34 9.97,36.81 10.03,36.86 10.38,36.86 10.44,36.81 10.44,35.34 10.63,35.15 11.18,35.15 11.38,35.34 11.38,36.81 11.43,36.86 11.78,36.86 11.84,36.81 11.84,35.4 12.09,35.15 14.02,35.15 14.22,35.35 14.22,36.17 14.03,36.38 12.92,36.38 12.78,36.53 12.78,38.53 12.83,38.58 13.18,38.58 13.24,38.53 13.24,37.06 13.43,36.86 14.44,36.86 14.7,36.6 15.18,36.6 15.43,36.85 15.68,36.85 15.8,36.72 15.8,36.47 15.93,36.35 16.18,36.35 16.3,36.47 16.3,36.72 16.43,36.85 16.68,36.85 16.8,36.72 16.8,36.47 16.93,36.35 17.18,36.35 17.43,36.6 U1.A11
